# KiCad board control.kicad_pcb (continued)
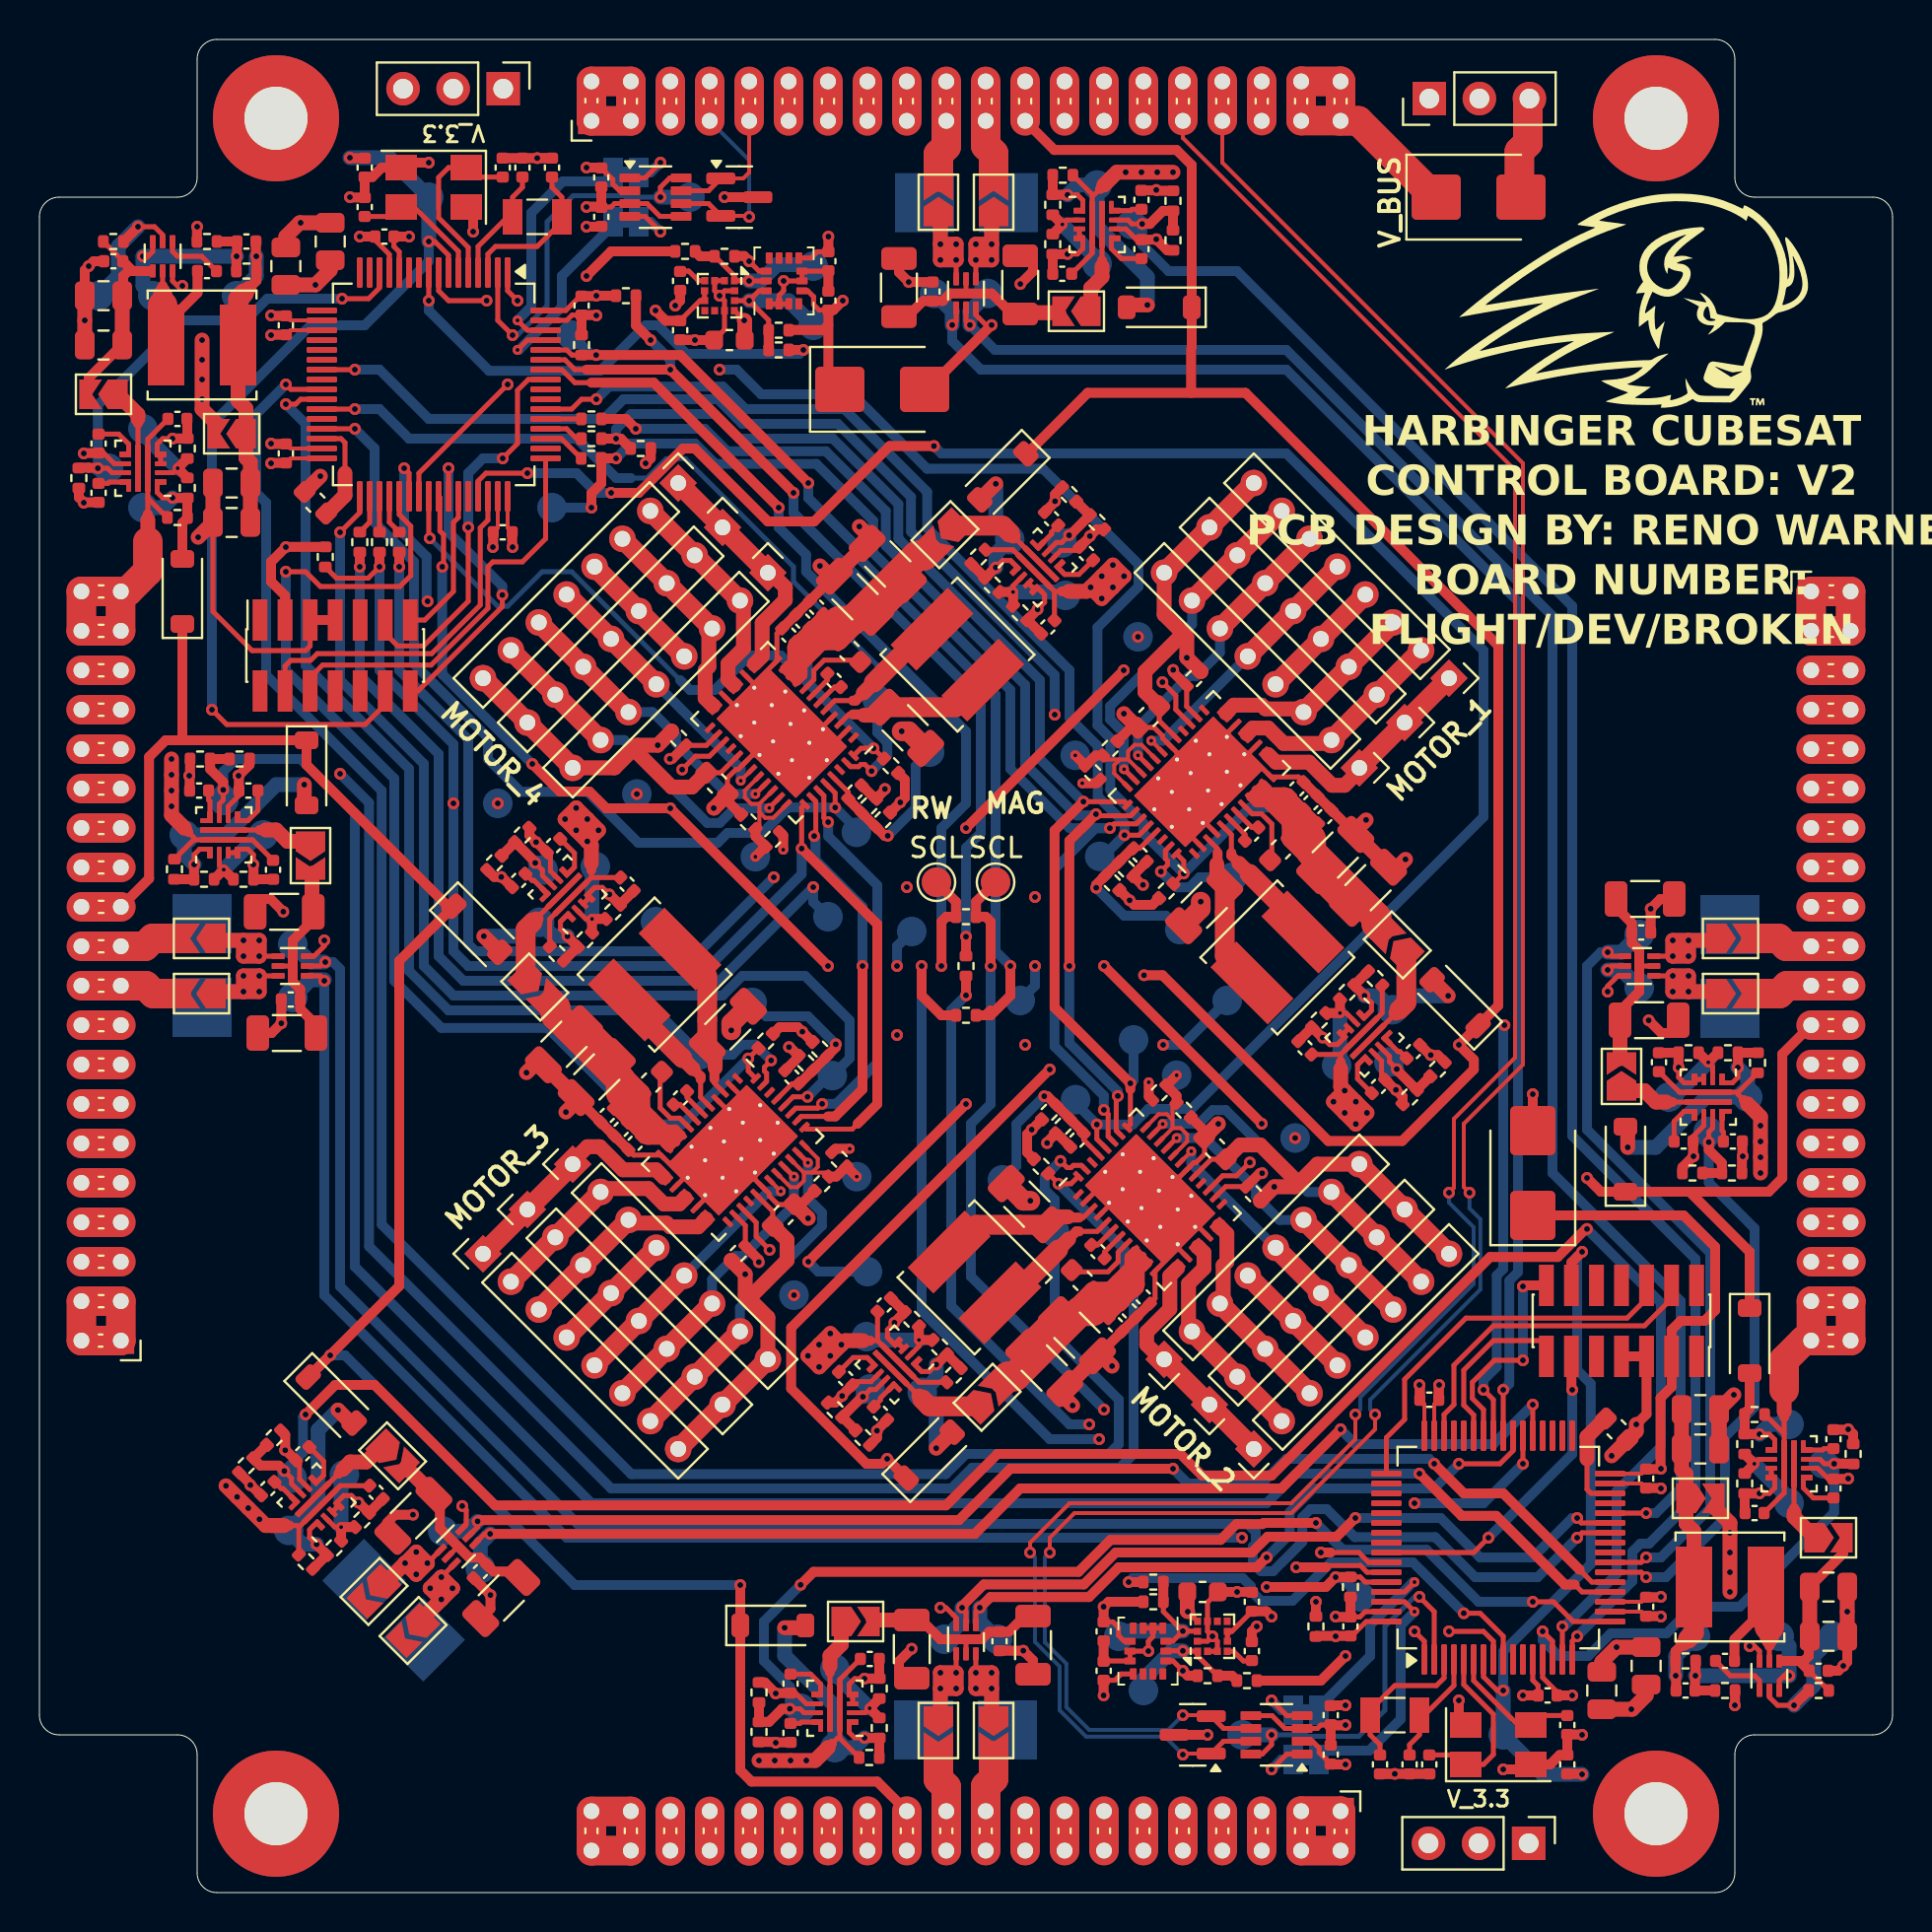
[diagram p0: board, top side]
## Routing (per net, layer and track width the routed paths; a pad name or vN(x,y) marks a point on that pad's centre or on a via; arc(x,y) is an arc through that point) (continued)
  Bottom w0.75: v2(9.35,51.89) 11.11,53.65 TP33.1
/MAGNETORQUERS/MAGNETORQUER_Y+/EFUSE_LATCHED/UVLO: length 12.9
  Top w0.25: 8.48,52.92 8.12,52.92 7.85,52.65 v1(7.85,52.15)
  Top w0.5: R35.2 R36.1 7.84,52.14 v1(7.85,52.15)
  Top w0.75: 13.44,55.15 v1(13.44,56.2)
  Bottom w0.75: v1(13.44,56.2) 12.01,56.2 9.46,53.65 TP32.1 7.35,52.65 v1(7.85,52.15)
/MAGNETORQUERS/MAGNETORQUER_Y+/EFUSE_LATCHED/V_OUT: length 4.6
  Top w0.25: 9.38,53.9 11.17,53.9
  Top w0.5: 11.48,53.9 11.17,53.9
  Top w0.75: 13.73,53.33 12.59,53.33 12.01,53.9 11.48,53.9
/MAGNETORQUERS/MAGNETORQUER_Y-/BRUSHED_DRIVER/OUT_1: length 13.5
  Top w0.25: U16.6 v1(82.85,47.5)
  Top w0.75: 85.05,48.35 85,48.3 v1(83.65,48.3) ; v1(83.65,48.3) v1(83.65,47.5) v1(82.85,47.5) ; v1(83.65,48.3) v1(82.85,48.3) v1(82.85,47.5) ; v1(83.65,48.3) v1(82.85,47.5)
  Bottom w0.75: v1(82.85,47.5) v1(83.65,47.5) v1(83.65,48.3) ; v1(82.85,47.5) v1(83.65,48.3) ; v1(82.85,47.5) v1(82.85,48.3) v1(83.65,48.3) ; v1(83.65,48.3) 84.95,48.3 TP37.1
/MAGNETORQUERS/MAGNETORQUER_Y-/BRUSHED_DRIVER/OUT_2: length 13.5
  Top w0.25: U16.4 v1(82.85,46.5)
  Top w0.75: v1(82.85,46.5) v1(82.85,45.7) v1(83.65,45.7) ; v1(82.85,46.5) v1(83.65,45.7) ; v1(82.85,46.5) v1(83.65,46.5) v1(83.65,45.7) ; v1(83.65,45.7) 84.95,45.7 JP11.1
  Bottom w0.75: v1(83.65,45.7) 84.9,45.7 TP38.1 ; v1(83.65,45.7) v1(82.85,45.7) v1(82.85,46.5) ; v1(83.65,45.7) v1(82.85,46.5) ; v1(83.65,45.7) v1(83.65,46.5) v1(82.85,46.5)
/MAGNETORQUERS/MAGNETORQUER_Y-/BRUSHED_DRIVER/V_IN: length 10.2
  Top w0.25: U16.5 81.13,47
  Top w0.5: C66.1 79.97,49.98 80.77,49.18 C65.1 80.77,48.18 81.15,47.8 81.15,45.7 79.89,44.44 79.89,44.3
  Top w0.75: 80.16,42.3 80.17,42.31 80.17,44.4 79.99,44.4
/MAGNETORQUERS/MAGNETORQUER_Y-/EFUSE_LATCHED/DVDT: length 2.1
  Top w0.25: U18.7 83.42,39.62 82.92,39.12 C80.1
/MAGNETORQUERS/MAGNETORQUER_Y-/EFUSE_LATCHED/ITIMER: length 1.4
  Top w0.25: C79.1 85.42,38.58 85.35,38.65 U18.10
/MAGNETORQUERS/MAGNETORQUER_Y-/EFUSE_LATCHED/OVLO: length 5.1
  Top w0.25: v2(84.65,42.11) 84.88,41.88 U18.2
  Top w0.5: R81.2 v2(84.65,42.11) R82.1
  Bottom w0.75: v2(84.65,42.11) 82.89,40.35 TP71.1
/MAGNETORQUERS/MAGNETORQUER_Y-/EFUSE_LATCHED/UVLO: length 12.9
  Top w0.25: v1(86.15,41.85) 86.15,41.35 85.88,41.08 85.53,41.08
  Top w0.5: R80.2 R81.1 86.16,41.86 v1(86.15,41.85)
  Top w0.75: 80.56,38.85 v1(80.56,37.8)
  Bottom w0.75: v1(80.56,37.8) 81.99,37.8 84.54,40.35 TP70.1 86.65,41.35 v1(86.15,41.85)
/MAGNETORQUERS/MAGNETORQUER_Y-/EFUSE_LATCHED/V_OUT: length 4.6
  Top w0.25: 84.62,40.1 82.83,40.1
  Top w0.5: 82.53,40.1 82.83,40.1
  Top w0.75: 82.53,40.1 81.99,40.1 81.41,40.67 80.27,40.67
/MAGNETORQUERS/MAGNETORQUER_Z/BRUSHED_DRIVER/OUT_1: length 13.5
  Top w0.25: U19.6 v1(20.39,16)
  Top w0.75: v1(19.82,15.44) v1(20.39,16) v1(20.95,15.44) ; v1(19.82,15.44) v1(20.39,14.87) ; v1(19.82,15.44) v1(20.95,15.44) ; 19.43,13.84 19.43,13.91 v1(20.39,14.87) ; v1(20.39,14.87) v1(20.95,15.44)
  Bottom w0.75: v1(20.39,16) v1(19.82,15.44) v1(20.39,14.87) ; v1(20.39,16) v1(20.39,14.87) ; v1(20.39,16) v1(20.95,15.44) v1(20.39,14.87) ; v1(20.39,14.87) 19.47,13.95 TP73.1
/MAGNETORQUERS/MAGNETORQUER_Z/BRUSHED_DRIVER/OUT_2: length 14.6
  Top w0.25: U19.4 v1(19.68,16.71)
  Top w0.75: v1(19.68,16.71) 19.66,16.71 19.11,17.26 ; v1(19.68,16.71) v1(19.11,16.14) ; v1(19.68,16.71) v1(18.55,16.71) ; JP18.1 17.63,15.79 v1(18.55,16.71) ; v1(19.11,16.14) v1(18.55,16.71) ; v1(19.11,16.14) 19.11,17.26 ; v1(18.55,16.71) 18.57,16.71 19.12,17.27 19.11,17.26
  Bottom w0.75: v1(19.68,16.71) v1(19.11,17.28) v1(18.55,16.71) ; v1(19.68,16.71) v1(19.11,16.14) v1(18.55,16.71) ; v1(19.68,16.71) v1(18.55,16.71) ; v1(18.55,16.71) 17.66,15.83 TP74.1
/MAGNETORQUERS/MAGNETORQUER_Z/BRUSHED_DRIVER/V_IN: length 10.2
  Top w0.25: U19.5 21.25,17.57
  Top w0.5: C82.1 24.17,16.29 23.05,16.29 C81.1 22.34,16.99 21.8,16.99 20.32,18.48 20.32,20.26 20.22,20.36
  Top w0.75: 20.22,20.22 20.09,20.09 18.61,21.56 18.61,21.58
/MAGNETORQUERS/MAGNETORQUER_Z/EFUSE_LATCHED/DVDT: length 2.1
  Top w0.25: C86.1 14.41,21.88 14.41,21.16 U20.7
/MAGNETORQUERS/MAGNETORQUER_Z/EFUSE_LATCHED/ITIMER: length 1.4
  Top w0.25: U20.10 12.36,20.49 12.26,20.49 C85.1
/MAGNETORQUERS/MAGNETORQUER_Z/EFUSE_LATCHED/OVLO: length 5.1
  Top w0.25: v2(15.3,18.54) 14.98,18.54 U20.2
  Top w0.5: R87.1 v2(15.3,18.54) R86.2
  Bottom w0.75: v2(15.3,18.54) 15.3,21.03 TP78.1
/MAGNETORQUERS/MAGNETORQUER_Z/EFUSE_LATCHED/UVLO: length 12.9
  Top w0.25: v1(14.06,17.66) 13.7,18.02 13.7,18.41 U20.1
  Top w0.5: R85.2 R86.1 14.06,17.65 v1(14.06,17.66)
  Top w0.75: 15.89,23.73 v1(15.14,24.48)
  Bottom w0.75: v1(15.14,24.48) 14.14,23.47 14.14,19.86 TP77.1 13.35,17.66 v1(14.06,17.66)
/MAGNETORQUERS/MAGNETORQUER_Z/EFUSE_LATCHED/V_OUT: length 4.6
  Top w0.25: 13.9,19.98 15.17,21.25
  Top w0.5: 15.38,21.46 15.17,21.25
  Top w0.75: 15.38,21.46 15.76,21.84 16.58,21.84 17.39,22.66
/MAGNETORQUERS/PA0: length 25.7
  Top w0.25: U27.9 90.32,21.98 90.55,21.75 v1(91.04,21.75) ; v1(76.25,13.25) 76.75,12.75 U29.14
  Top w0.5: 91.04,21.76 91.5,21.76 91.51,21.75 92,21.75
  Bottom w0.5: v1(91.04,21.75) 91.04,19.29 86.25,14.5 83.89,14.5 82.54,13.15 79.71,13.15 78.56,12 77.06,12 76.25,12.81 v1(76.25,13.25)
  Bottom w0.75: v1(91.04,21.75) TP98.1
/MAGNETORQUERS/PA1: length 108.5
  Top w0.25: v1(77.25,13.5) U29.15 ; v1(12.42,21.38) 12.79,21.02 12.79,20.74 U20.9
  Top w0.5: v1(78.5,33.66) 78.43,33.66 77.01,32.24 73.58,32.24 62.5,21.16 58.97,21.16 57.88,22.25 48.59,22.25 45.98,19.64 23.11,19.64 17,25.75 15,25.75 v1(13.5,24.25) ; R83.2 R84.2 11.21,21.66 12.15,21.66 v1(12.42,21.38)
  Bottom w0.5: v1(78.5,33.66) 82.25,29.91 82.25,22.61 80,20.36 80,16.16 77.34,13.5 v1(77.25,13.5) ; v1(13.5,24.25) 13.37,24.12 13.37,22.33 v1(12.42,21.38)
  Bottom w0.75: TP79.1 12.46,21.38 v1(12.42,21.38)
/MAGNETORQUERS/PA2: length 94.2
  Top w0.25: U21.9 55.22,84.84 55.42,84.64 v1(55.94,84.64) ; U29.16 77.75,12.75 v1(78,13)
  Top w0.5: v1(55.94,84.64) 56.33,84.64 56.99,85.3 R92.2 R91.2
  Bottom w0.5: v1(78,13) 80.8,15.8 80.8,17.29 81.21,17.7 81.65,17.7 84,20.05 84,32.14 77.75,38.39 77.75,65.25 60.75,82.25 57.27,82.25 55.94,83.59 v1(55.94,84.64)
  Bottom w0.75: v1(55.94,84.64) 55.91,84.61 TP82.1
/MAGNETORQUERS/PA3: length 56.9
  Top w0.25: U6.9 38.78,9.12 38.58,9.32 v1(38.06,9.32) ; v1(75.75,14.75) 76.8,14.75 77.8,13.75 U29.17
  Top w0.5: R22.2 R23.2 37.01,8.66 37.67,9.32 v1(38.06,9.32) ; v1(38.61,15.61) 39.27,16.27 52.71,16.27 54.33,17.89 59.91,17.89 60.71,18.69 62.03,18.69 62.09,18.75 v1(64.75,18.75)
  Bottom w0.5: v1(38.06,9.32) 38.06,10.44 36.75,11.75 36.75,13.75 v1(38.61,15.61) ; v1(64.75,18.75) 66.11,17.39 70.36,17.39 73,14.75 v1(75.75,14.75)
  Bottom w0.75: v1(38.06,9.32) 38.09,9.35 TP27.1
/MAGNETORQUERS/PA4: length 108.6
  Top w0.25: 77.88,15.62 78.25,15.25 U29.20 ; U9.9 9.12,55.22 9.32,55.42 v1(9.32,55.94)
  Top w0.5: 77.88,15.62 77.38,15.62 73.89,19.11 72.14,19.11 v1(70,21.25) ; v1(9.32,55.94) 9.32,56.33 8.66,56.99 R34.2 R33.2
  Bottom w0.5: v1(9.32,55.94) 9.32,56.86 9.96,57.5 13.25,57.5 16,54.75 16,31.75 28,19.75 62.25,19.75 63.75,21.25 v1(70,21.25)
  Bottom w0.75: TP34.1 9.35,55.91 v1(9.32,55.94)
/MAGNETORQUERS/PA5: length 64.9
  Top w0.25: 78.12,16.38 78.75,15.75 U29.21 ; v1(22.22,18.83) 22.22,18.55 U19.2
  Top w0.5: 78.12,16.38 74.25,20.25 72.25,20.25 v1(70.75,21.75) ; v1(57.5,21.5) 49.25,21.5 46.64,18.89 22.29,18.89 v1(22.22,18.83)
  Bottom w0.5: v1(57.5,21.5) 58.25,20.75 62,20.75 63.25,22 70.5,22 v1(70.75,21.75)
  Bottom w0.75: TP76.1 21.73,18.34 v1(22.22,18.83)
/MAGNETORQUERS/PA6: length 32.7
  Top w0.25: U29.22 81.25,16.25 v1(81.5,16) ; U18.9 84.88,38.78 84.68,38.58 v1(84.68,38.06)
  Top w0.5: v1(84.68,38.06) 84.68,37.67 85.34,37.01 R40.2 R39.2
  Bottom w0.5: v1(84.68,38.06) 84.68,36.01 87,33.69 87,24.62 85.5,23.12 85.5,19 82.5,16 v1(81.5,16)
  Bottom w0.75: TP72.1 84.65,38.09 v1(84.68,38.06)
/MAGNETORQUERS/PA7: length 40.6
  Top w0.25: v1(79.55,47.7) 79.75,47.5 U16.1 ; U29.23 81.25,16.75 v1(81.5,17)
  Bottom w0.5: v1(79.55,47.7) 79.2,47.7 78.5,47 78.5,38.7 84.75,32.45 84.75,19.5 82.25,17 v1(81.5,17)
  Bottom w0.75: TP62.1 80.25,47.7 v1(79.55,47.7)
/MAGNETORQUERS/PA8: length 30.8
  Top w0.25: v1(73.25,25.5) 73.75,25 U29.41 ; v1(79.55,46.8) 79.75,47 U16.2
  In1.Cu w0.5: v1(79.55,46.8) 77.11,46.8 v1(74.31,44)
  Bottom w0.5: v1(74.31,44) 74.25,43.94 74.25,31.63 73.92,31.3 73.92,26.67 73.25,26 v1(73.25,25.5)
  Bottom w0.75: v1(79.55,46.8) 80.25,46.8 TP63.1
/MAGNETORQUERS/PA9: length 10.9
  Top w0.25: v1(75.25,27) 73.8,27 72.69,25.88 72.69,25.07 73.25,24.5 U29.42
  Top w0.5: v1(75.25,30.75) 75.3,30.8 J21.14
  Bottom w0.5: v1(75.25,27) v1(75.25,30.75)
/MAGNETORQUERS/PA10: length 9.1
  Top w0.25: U29.43 72.75,24.22 72.25,24.72 72.25,26.5 73.75,28 76.44,28 J21.13
/MAGNETORQUERS/PA13: length 16.9
  Top w0.25: J21.4 82.79,30.12 81.41,28.75 73.75,28.75 71.75,26.75 71.75,24.75 71.25,24.25 U29.46
/MAGNETORQUERS/PA14: length 19.8
  Top w0.25: J21.6 81.52,30.12 80.53,29.14 72.36,29.14 69.25,26.03 69.25,24 68.33,23.07 U29.49
/MAGNETORQUERS/PB0: length 96
  Top w0.25: U29.26 78.25,18.25 v1(78,18) ; U8.2 14.25,47 14.45,47.2
  In1.Cu w0.5: 14.54,47.2 14.45,47.2
  Bottom w0.5: v1(78,18) 76,16 72.83,16 70.8,18.03 66.72,18.03 65.3,19.45 64.47,19.45 64.06,19.04 64.06,17.79 62.57,16.3 61.96,16.3 61.55,16.71 61.55,17.56 61.7,17.71 61.7,18.29 61.29,18.7 27.3,18.7 15.25,30.75 15.25,46.84 14.89,47.2 v1(14.5,47.2) 14.45,47.2
  Bottom w0.75: 14.45,47.2 13.75,47.2 TP31.1
/MAGNETORQUERS/PB1: length 39.5
  Top w0.25: v1(78,19) 78,18.96 78.21,18.75 U29.27 ; v1(46.8,14.45) 47,14.25 U5.2
  Top w0.5: v1(46.8,14.45) 46.8,14.53 47.9,15.63 52.97,15.63 54.59,17.25 61.5,17.25 62.3,18.05 65.8,18.05 v1(66.75,19)
  Bottom w0.5: v1(78,19) 77.75,19 75.75,17 73.08,17 71.08,19 v1(66.75,19)
  Bottom w0.75: TP24.1 46.8,13.75 v1(46.8,14.45)
/MAGNETORQUERS/PB2: length 89.6
  Top w0.25: U22.2 47,79.71 v1(47.2,79.51) ; U29.28 v1(81.5,19.25)
  Bottom w0.5: v1(81.5,19.25) 82,19.25 83.25,20.5 83.25,30 76.75,36.5 76.75,64.75 63.25,78.25 48.46,78.25 v1(47.2,79.51)
  Bottom w0.75: v1(47.2,79.51) 47.2,80.21 TP84.1
/MAGNETORQUERS/PB5: length 16.5
  Top w0.25: v1(73.5,18) 72.75,17.25 U29.57
  Top w0.5: v1(77.75,25.5) 77.71,25.54 J21.11
  Bottom w0.5: v1(77.75,25.5) 77.75,22.25 v1(73.5,18)
/MAGNETORQUERS/PB8: length 10.2
  Top w0.25: U29.61 69.25,15.25 v2(69.75,15.75) ; U29.61 68.31,15.23 U29.61
  Bottom w0.5: v2(69.75,15.75) 69.68,15.75 67.5,13.57 67.5,12 64.9,9.4 JP27.1
/MAGNETORQUERS/PB9: length 12.6
  Top w0.25: U29.62 69.25,14.75 v2(69.75,14.25)
  Bottom w0.5: v2(69.75,14.25) 69.05,13.55 69.05,8.8 67.45,7.2 65,7.2 64.9,7.1 JP26.1
/MAGNETORQUERS/PC0: length 14.2
  Top w0.25: v1(71.5,13.25) 73.25,13.25 73.75,12.75 73.75,11.75
  Top w0.5: v1(66.25,12) 65,10.75 R50.1
  In1.Cu w0.5: v1(66.25,12) 70.25,12 v1(71.5,13.25)
/MAGNETORQUERS/PC1: length 24
  Top w0.25: 74.25,11.75 74.25,13 73.08,14.17 v1(72.25,14.17)
  Top w0.5: R51.1 v1(55.25,15.75)
  Bottom w0.5: v1(55.25,15.75) 55.45,15.95 61.04,15.95 61.45,15.54 61.45,15.31 61.96,14.8 63.56,14.8 65.51,16.75 69.67,16.75 v1(72.25,14.17)
/MAGNETORQUERS/PC6: length 60.7
  Top w0.25: v1(22.86,18.19) 22.58,18.19 U19.1 ; U29.37 v1(75.75,24.75)
  Top w0.5: v1(66,23.5) 63,20.5 49.75,20.5 47.44,18.19 v1(22.86,18.19)
  Bottom w0.5: v1(66,23.5) 66.75,22.75 73.75,22.75 v1(75.75,24.75)
  Bottom w0.75: TP75.1 22.37,17.7 v1(22.86,18.19)
/MAGNETORQUERS/PC7: length 87.8
  Top w0.25: 14.45,46.3 14.25,46.5 U8.1 ; U29.38 v1(75.25,21.75)
  In2.Cu w0.5: v1(69.75,19.75) 68,18 v1(61,18)
  Bottom w0.5: v1(75.25,21.75) 73.25,19.75 v1(69.75,19.75) ; 14.45,46.3 v1(14.45,46.25) 14.45,30.3 26.75,18 v1(61,18)
  Bottom w0.75: 14.45,46.3 13.75,46.3 TP30.1
/MAGNETORQUERS/PC8: length 34.7
  Top w0.25: v1(72,21.75) 74.08,21.75 74.75,22.42 U29.39 ; v1(47.7,14.45) 47.5,14.25 U5.1
  Top w0.5: v1(47.7,14.45) 48.24,14.99 53.24,14.99 54.75,16.5 61.75,16.5 v1(62.25,17)
  Bottom w0.5: v1(62.25,17) 63.42,18.17 63.42,19.3 64.62,20.5 70.75,20.5 v1(72,21.75)
  Bottom w0.75: v1(47.7,14.45) 47.7,13.75 TP23.1
/MAGNETORQUERS/PC9: length 80.5
  Top w0.25: U29.40 v1(74.25,25.5) ; U22.1 46.5,79.71 v1(46.3,79.51)
  Bottom w0.5: v1(74.25,25.5) 74.56,25.81 74.56,31.04 75,31.48 75,65.5 63.25,77.25 47.75,77.25 46.3,78.7 v1(46.3,79.51)
  Bottom w0.75: v1(46.3,79.51) 46.3,80.21 TP83.1
/MAGNETORQUERS/PC13: length 19.7
  Top w0.25: U30.8 62.02,7.02 62.5,7.5 v1(62.5,8) ; v1(70,15) 70.75,14.25 U29.2
  Bottom w0.25: v1(70,15) 69.75,15 68.25,13.5 68.25,9.25 66.92,7.92 64.33,7.92 64.25,8 v1(62.5,8)
  Bottom w0.75: v1(62.5,8) TP104.1
/MAGNETORQUERS/PC14: length 7.6
  Top w0.25: Y4.2 67.5,8 68,7.5 C138.1 ; U29.3 71.25,10.89 70.86,10.5 68.75,10.5 67.5,9.25
/MAGNETORQUERS/PC15: length 5.9
  Top w0.25: U29.4 71.75,10.5 70.25,9 Y4.1 70,8 69.5,7.5 C137.1
/MAGNETORQUERS/PH0: length 9.1
  Top w0.25: U29.5 72.25,10.55 73.75,9.05 73.75,7 73.25,6.5 Y3.1 71.87,6.98 C139.1
/MAGNETORQUERS/PH1: length 6.5
  Top w0.25: Y3.3 76.13,8.98 C140.2 ; 75.23,8.5 75,8.5 72.75,10.75 U29.6
/MAGNETORQUERS/PH3: length 52.5
  Top w0.25: U29.60 67.25,15.75 66.99,16.01 R106.1
  Top w0.5: 65.76,16.01 65.25,15.5 v1(62.25,15.5) ; 65.76,16.01 R106.1 ; 65.76,16.01 v1(65.75,16) ; R4.1 45.75,44.5 44.75,45.5 v1(44.75,47)
  In1.Cu w0.5: v1(62.25,15.5) 54.75,23 v1(53.75,23)
  Bottom w0.5: v1(53.75,23) 51.25,23 44.75,29.5 v1(44.75,47) ; TP103.1 66,16 v1(65.75,16)
/MAGNETORQUERS/V_3.3: length 70
  Top w0.2: 70.25,24.77 C128.1 70.25,24.77 ; 70.25,24.77 U29.48 70.25,24.77 ; C131.1 81.27,14.75 U29.19 ; U29.32 81.27,21.25 C133.1
  Top w0.25: C135.1 66.57,13.02 67.3,13.75 U29.64 ; U2.5 55.03,12.75 54.73,13.05 54.73,13.45 54.45,13.73 C5.1 ; 65.48,7.5 65.5,7.52 ; U2.8 54.87,11.09 54.55,10.77 C4.1 ; U29.1 70.25,12.75 v1(69.75,13.25) ; U3.10 58.74,13.76 v1(58.25,14.25) ; v1(58,11.25) 57.5,11.75 U2.12 ; U30.5 62.52,8.98 63.17,8.33 U30.3 64.83,8.33 65,8.5 65.48,8.5 65.5,8.48 ; U3.5 U3.6 60.49,13.25 61.5,14.26 C6.1 ; C134.1 76.98,10.18 76.25,10.91 U29.13
  Top w0.5: v1(62.5,14) 62.23,14.27 C6.1 ; v1(58,11.25) 58.25,11 R48.2 ; C134.1 v1(77.75,10) ; 65.77,13.02 v1(65.75,13) ; 65.77,13.02 64.78,13.02 R5.1 ; 65.77,13.02 C135.1 ; C5.1 v1(53.98,14.5) 54.23,14.75 R49.2 ; C133.1 82.23,21.48 ; 82.23,21.48 v1(82.25,21.5) ; 82.23,21.48 82.23,25.09 82.79,25.65 J21.3 82.79,28.54 83.25,29 84.47,29 85,29.54 85,32.75 83.4,34.35 D6.1 ; v1(53.98,10) C4.1 ; C131.1 82.23,14.98 v1(82.25,15) ; 70.02,25.73 v1(70,25.75) 70.02,25.73 ; 70.02,25.73 C128.1 70.02,25.73 ; v1(66.25,8.5) 66.23,8.48 65.5,8.48 65.52,8.5 ; 65.52,7.5 65.5,7.52 C141.1
  Top w0.75: 58.25,15.23 C7.1 58.23,14.27 v1(58.25,14.25) ; 79.5,9.3 v1(80.75,9.3) 80.8,9.3 81.5,10 C130.1 ; v1(85.75,15.25) v1(85.75,18.25) 85.75,18.75 85,19.5
  vias: v1(85.75,17.25) v1(85.75,16.25)
/REACTION WHEELS/COMMAND/EFUSE_LATCHED/DVDT: length 2.1
  Top w0.25: C95.1 4.02,73.98 4.52,73.47 U23.7
/REACTION WHEELS/COMMAND/EFUSE_LATCHED/ITIMER: length 1.4
  Top w0.25: C94.1 3.48,71.48 3.55,71.55 U23.10
/REACTION WHEELS/COMMAND/EFUSE_LATCHED/OVLO: length 5.1
  Top w0.25: v2(7.01,72.25) 6.78,72.03 U23.2
  Top w0.5: R95.1 v2(7.01,72.25) R94.2
  Bottom w0.75: TP88.1 5.25,74.01 v2(7.01,72.25)
/REACTION WHEELS/COMMAND/EFUSE_LATCHED/UVLO: length 6.9
  Top w0.25: U23.1 5.98,71.03 6.25,70.75 v1(6.75,70.75)
  Top w0.5: 7.5,69.7 R94.1 6.76,70.74 v1(6.75,70.75) ; 7.25,67.67 7.25,69.47 7.5,69.72 7.5,69.77
  Bottom w0.75: v1(6.75,70.75) 6.25,70.25 TP87.1
/REACTION WHEELS/COMMAND/EFUSE_LATCHED/V_OUT: length 4.2
  Top w0.25: U23.6 5,74.52 4.99,74.52
  Top w0.5: 4.99,74.77 4.99,74.52
  Top w0.75: 4.99,74.77 4.99,74.98 JP1.1
/REACTION WHEELS/COMMAND/MCU/VCAP: length 5.2
  Top w0.25: 15.5,72 15.5,73.55 15.3,73.75 U25.30
  Top w0.75: 15.5,72 15.5,70.88 14.58,69.95
/REACTION WHEELS/COMMAND/SMPS(3.3V)/SMPS/FB: length 10.6
  Top w0.25: v1(5.25,83) 5.5,83 5.75,83.25 U24.6
  Top w0.5: R96.2 9.99,82.99 v1(10,83) 10.02,83.02 C97.1 R98.1
  Bottom w0.75: v1(10,83) v1(5.25,83) 5.25,81.5 TP92.1
/REACTION WHEELS/COMMAND/SMPS(3.3V)/SMPS/SW: length 10.1
  Top w0.25: U24.2 6.25,81.5
  Top w0.5: C96.2 8.02,81.15 6.42,79.55 L5.1 ; 6.25,81.25 6.25,81.5
  Top w0.75: 6.25,81 6.25,81.25
  Top w1: 6.25,81 6.25,78.67
  Top w1.5: 6.25,80.5 6.25,78.67 L5.1
/REACTION WHEELS/COMMAND/SMPS(3.3V)/SMPS/V_OUT: length 17.4
  Top w0.5: 11.01,83.72 C97.2 10.98,83.02 v1(11,83) 11.01,82.99 R96.1 11.01,81.76 10.62,81.38
  Top w0.75: 10.38,81.12 10.62,81.38 ; L5.2 10.08,75.67 10.48,75.28 JP22.1 10.48,72.78 10.7,72.55 C101.1 C102.1
  Top w1: 10.38,81.12 10.08,80.83 L5.2
  Bottom w0.75: v1(11,83) 11,82 TP91.1
/REACTION WHEELS/COMMAND/SMPS(3.3V)/V_IN: length 9.9
  Top w0.25: 4.24,82.76 C98.1 4.23,82.76 R97.1
  Top w0.5: 2.5,76.5 2.5,76.82 4.2,78.52 ; 4.73,82.25 5.65,82.25 ; 4.73,82.25 C98.1 ; 4.73,82.25 4.5,82.25 4.25,82 4.25,81.05 C99.1
  Top w0.75: C99.1 C100.1
/REACTION WHEELS/COMMAND/SWD.NRST: length 50.1
  Top w0.25: v1(8.75,60) 9.5,59.25 16.52,59.25 17.54,60.27 J19.12 ; U25.7 20.75,83.06 20.06,83.75 v1(19.75,83.75)
  Top w0.5: C104.1 15.77,87.98 v1(15.75,88)
  Bottom w0.5: v1(8.75,60) 8.75,74.5 13.75,79.5 16.5,79.5 19.75,82.75 v1(19.75,83.75)
  Bottom w0.75: v1(19.75,83.75) TP93.1 17.75,88 v1(15.75,88)
/REACTION WHEELS/CONTROL_1.CS: length 46.7
  Top w0.25: v1(28.25,75.75) 27.5,75.75 27,75.25 U25.54 ; v1(55.04,53.64) 55.78,53.64 U4.36
  Bottom w0.5: v1(28.25,75.75) 28.89,76.39 34.67,76.39 35.81,75.25 40.83,75.25 45.03,71.05 45.03,69.22 52.25,62 52.25,59.59 53.68,58.16 53.68,55.6 55,54.28 55,54.25 55.04,54.21 v1(55.04,53.64) 53.96,52.56 TP22.1
/REACTION WHEELS/CONTROL_1.FAULT: length 5.4
  Top w0.25: R29.2 58.19,60.17 U4.22
  Top w0.5: R29.2 57.51,61.9 v1(57.51,62.02)
  In2.Cu w0.5: v1(55.72,63.7) 55.72,63.68 57.38,62.02 v1(57.51,62.02)
/REACTION WHEELS/CONTROL_1.FGOUT: length 70.9
  Top w0.25: v1(23.75,76.5) 19.25,72 U25.39 ; R28.2 v1(58.04,51.69) 58.04,52.33 U4.40
  In1.Cu w0.5: v1(34.5,77.25) 33.67,76.42 29.34,76.42 29.26,76.5 v1(23.75,76.5)
  Bottom w0.5: v1(34.5,77.25) 35.37,77.25 36.62,76 41.25,76 45.03,72.22 50.9,72.22 55.75,67.38 55.75,66.25 53.67,64.17 53.67,59.21 54.32,58.55 54.32,55.93 56,54.25 56,53.74 v1(58.04,51.69) 61.39,55.03 TP20.1
/REACTION WHEELS/CONTROL_1.PWM: length 63.3
  Top w0.25: v1(16,77.25) U25.23 ; U4.39 57.11,52.85 57.11,52.44 57.23,52.33 57.23,52.13 v1(56.89,51.79)
  In1.Cu w0.5: v1(51.5,59.75) 53.75,57.5 53.75,56.25 56,54 56,52.68 v1(56.89,51.79)
  Bottom w0.5: TP21.1 58.84,51.5 58.33,50.99 57.69,50.99 v1(56.89,51.79) ; v1(51.5,59.75) 51.5,61.75 44.21,69.04 44.21,70.79 40.5,74.5 35.66,74.5 34.41,75.75 29.62,75.75 28.62,74.75 19.75,74.75 17.25,77.25 v1(16,77.25)
/REACTION WHEELS/CONTROL_2.CS: length 98.3
  Top w0.25: v1(53.64,38.96) 53.64,38.22 U12.36 ; v1(24.75,72) 22.65,72 22.25,71.6 U25.45
  Top w0.5: v1(45.38,73.38) 43.12,73.38 39.3,69.55 36.95,69.55 33.25,73.25 32.65,73.25 30.4,71 v1(29,71)
  Bottom w0.5: v1(29,71) 28.25,71 27.25,72 v1(24.75,72) ; v1(45.38,73.38) 45.75,73 63.25,73 73.25,63 73.25,54.56 58.44,39.75 56.25,39.75 55.46,38.96 v1(53.64,38.96) 52.56,40.04 TP49.1
/REACTION WHEELS/CONTROL_2.FAULT: length 5.4
  Top w0.25: U12.22 60.17,35.81 R57.2
  Top w0.5: R57.2 61.9,36.49 v1(62.02,36.49)
  In2.Cu w0.5: v1(63.7,38.28) 63.68,38.28 62.02,36.62 v1(62.02,36.49)
/REACTION WHEELS/CONTROL_2.FGOUT: length 106.3
  Top w0.25: R56.2 v1(51.69,35.96) 52.33,35.96 U12.40 ; U25.38 18.75,72 v1(18.5,72.25)
  In1.Cu w0.5: v1(15.25,56.75) 15.25,61.06 v1(19.69,65.5)
  Bottom w0.5: TP47.1 55.03,32.61 v1(51.69,35.96) ; TP47.1 55.5,30.21 55.5,22.25 54.8,21.55 47.31,21.55 46.26,20.5 29,20.5 16.72,32.78 16.72,55.28 v1(15.25,56.75) ; TP47.1 55.03,30.1 ; v1(18.5,72.25) 18.5,68.91 19.64,67.77 19.64,65.55 v1(19.69,65.5)
/REACTION WHEELS/CONTROL_2.PWM: length 108.9
  Top w0.25: U25.25 12.75,76.25 v1(12.5,76.5) ; v1(51.79,37.11) 52.13,36.77 52.33,36.77 52.44,36.89 52.85,36.89 U12.39
  Bottom w0.5: v1(12.5,76.5) 11,75 11,71 11.5,70.5 11.5,61.75 17.36,55.89 17.36,33.89 30.03,21.22 45.97,21.22 47,22.25 54.25,22.25 54.75,22.75 54.75,25 51.5,28.25 TP48.1 51.5,35.16 50.99,35.67 50.99,36.31 v1(51.79,37.11)
/REACTION WHEELS/CONTROL_3.CS: length 55.8
  Top w0.25: U14.36 38.22,40.36 v1(38.96,40.36) ; U25.33 16.25,70 v1(15.25,69)
  Bottom w0.5: v1(38.96,40.36) 40.04,41.44 TP58.1 41.1,42.32 41.1,44.24 38.83,46.5 35.66,46.5 34.66,45.5 21,45.5 19.5,47 19.5,57.25 15.25,61.5 v1(15.25,69)
/REACTION WHEELS/CONTROL_3.FAULT: length 5.4
  Top w0.25: U14.22 35.81,33.83 R68.2
  Top w0.5: R68.2 36.49,32.1 v1(36.49,31.98)
  In2.Cu w0.5: v1(36.49,31.98) 36.62,31.98 38.28,30.32 v1(38.28,30.3)
/REACTION WHEELS/CONTROL_3.FGOUT: length 58.4
  Top w0.25: v1(12.5,67) 13.5,67 14.25,66.25 18.28,66.25 18.84,66.8 18.84,69.31 18.25,69.9 U25.37 ; R67.2 v1(35.96,42.31) 35.96,41.67 U14.40
  Bottom w0.5: v1(12.5,67) 12.5,62 18,56.5 18,46.25 20.39,43.86 25.78,43.86 TP56.1 32.61,38.97 v1(35.96,42.31)
/REACTION WHEELS/CONTROL_3.PWM: length 55.5
  Top w0.25: v1(37.11,42.21) 36.77,41.87 36.77,41.67 36.89,41.56 36.89,41.15 U14.39 ; v1(12.5,75.5) 13,75.5 13.25,75.75 U25.26
  Bottom w0.5: v1(12.5,75.5) 13.5,74.5 13.5,62.25 18.75,57 18.75,46.75 20.75,44.75 31.25,44.75 TP57.1 35.16,42.5 35.67,43.01 36.31,43.01 v1(37.11,42.21)
/REACTION WHEELS/CONTROL_3.SLEEP: length 131.3
  Top w0.25: v1(61.4,37.04) 60.72,36.36 60.01,36.36 U12.23 ; v1(20.43,67.25) 20.5,67.31 20.5,68.88 20.32,69.06 20.32,70.76 U25.41 ; U17.23 33.99,57.64 33.28,57.64 v1(32.6,56.96) ; U4.23 57.64,60.01 57.64,60.72 v1(56.96,61.4) ; v1(37.04,32.6) 36.36,33.28 36.36,33.99 U14.23
  Top w0.5: v1(40,47) v1(32,55) 28.75,55 27.9,55.85 26.4,55.85 v1(25,57.25) ; v1(47,40) v1(39,32) ; v1(47,54) v1(55,62) ; v1(54,47) v1(62,39)
  In1.Cu w0.5: v1(50,43) v1(47,40) ; v1(39,32) 38.4,32.6 v1(37.04,32.6) ; v1(54,47) v1(50.5,50.5) ; v1(62,39) 61.4,38.4 v1(61.4,37.04) ; v1(44,51) v1(47,54) ; v1(32.6,56.96) 32.6,55.6 v1(32,55) ; v1(56.96,61.4) 55.6,61.4 v1(55,62) ; v1(43.5,43.5) v1(40,47)
  In2.Cu w0.5: v1(50.5,50.5) v1(47,54) ; v1(43.5,43.5) v1(47,40) ; v1(44,51) v1(40,47) ; v1(54,47) v1(50,43)
  Bottom w0.5: TP10.1 39.5,31.5 v1(39,32) ; v1(25,57.25) 24.99,57.25 23.99,58.25 23.98,58.25 20.43,61.8 v1(20.43,67.25)
/REACTION WHEELS/CONTROL_4.CS: length 44.5
  Top w0.25: v1(40.36,55.04) 40.36,55.78 U17.36 ; v1(16,74.25) U25.29
  Bottom w0.5: v1(16,74.25) 17,73.25 17,69.5 19,67.5 19,62.33 22.75,58.58 22.75,57.5 24.41,55.84 27.79,55.84 30.38,53.25 34.41,53.25 34.91,53.75 36.67,53.75 37.96,55.04 v1(40.36,55.04) 41.44,53.96 TP69.1
/REACTION WHEELS/CONTROL_4.FAULT: length 5.4
  Top w0.25: U17.22 33.83,58.19 R79.2
  Top w0.5: v1(31.98,57.51) 32.1,57.51 R79.2
  In2.Cu w0.5: v1(31.98,57.51) 31.98,57.38 30.32,55.72 v1(30.3,55.72)
/REACTION WHEELS/CONTROL_4.FGOUT: length 35.1
  Top w0.25: U17.40 41.67,58.04 v1(42.31,58.04) R78.2 ; v1(19.8,68.7) 19.75,68.75 19.75,70.07
  Bottom w0.25: v1(19.8,68.7) 23.25,65.25 23.75,65.25 25.5,67 27,67 32.5,61.5
  Bottom w0.5: TP67.1 38.97,61.39 ; 38.97,61.39 v1(42.31,58.04) ; 38.97,61.39 37.6,62.75 36,62.75 34.25,61 33,61 32.5,61.5
/REACTION WHEELS/CONTROL_4.PWM: length 42.3
  Top w0.25: v1(16,75.25) U25.27 ; U17.39 41.15,57.11 41.56,57.11 41.67,57.23 41.87,57.23 v1(42.21,56.89)
  Bottom w0.25: 30,71.75 30.81,71.75 31.8,72.73 32.77,72.73 38.25,67.25 38.25,66.5 42.5,62.25 TP68.1
  Bottom w0.5: v1(42.21,56.89) 43.01,57.69 43.01,58.33 42.5,58.84 TP68.1 ; 30,71.75 29.26,71.75 27.26,73.75 18.75,73.75 17.25,75.25 v1(16,75.25)
/REACTION WHEELS/I2C_3.SCL: length 8
  Top w0.25: 34.24,83.01 34.25,83.01 35.25,82.01 35.25,81.78 ; U7.1 35.99,81.76 ; v1(36,81.75) U11.13
  Top w0.5: R17.1 33.51,83 R19.2
  Bottom w0.75: TP11.1 39.17,82.58 37.41,82.58 36.58,81.75 v1(36,81.75)
/REACTION WHEELS/I2C_3.SDA: length 8.5
  Top w0.25: U11.14 36.5,81.25 v1(36,80.75) ; v1(36,80.75) 36.99,79.76 36.99,79.26 ; v1(36,80.75) U7.11
  Top w0.5: R20.2 R18.1
  Bottom w0.75: v1(36,80.75) 38,80.75 TP12.1
/REACTION WHEELS/PA0: length 23.7
  Top w0.25: U23.9 3.68,72.03 3.45,72.25 v1(2.96,72.25) ; v1(15.35,80.85) 16.7,80.85 17.25,81.4 U25.14
  Top w0.5: 2,72.28 2.49,72.28 2.5,72.27 2.96,72.27
  Bottom w0.5: v1(15.35,80.85) 11.56,80.85 10.46,79.75 7.25,79.75 2.96,75.46 v1(2.96,72.25)
  Bottom w0.75: v1(2.96,72.25) TP89.1
/REACTION WHEELS/PA9: length 16
  Top w0.25: J19.14 19.2,60.95 23.48,65.23 v1(23.48,65.82) ; U25.42 v1(20.75,72.25)
  Bottom w0.5: v1(20.75,72.25) 20.75,69 23.48,66.27 v1(23.48,65.82)
/REACTION WHEELS/PA10: length 7.7
  Top w0.25: U25.43 21.25,69.75 21,69.5 21,66 19.55,64.55 J19.13
/REACTION WHEELS/PA13: length 18.1
  Top w0.25: U25.46 22.75,69.62 22.36,69.23 22.36,65.31 19.9,62.84 14.09,62.84 13.75,62.5 12.75,62.5 12.46,62.21 J19.4
/REACTION WHEELS/PA14: length 20.9
  Top w0.25: J19.6 13.73,61.63 14.36,62.27 19.87,62.27 22.75,65.15 22.75,67.25 23,67.5 24.5,67.5 25.68,68.67 U25.49
/REACTION WHEELS/PB5: length 20.1
  Top w0.25: U25.57 24.8,76.75 24.25,76.2 24.25,73.5 v1(23.5,72.75) ; v1(21.75,69.25) 21.75,65.5 19.48,63.23 18.17,63.23 17.54,63.86 J19.11
  Bottom w0.5: v1(23.5,72.75) 22.5,72.75 21.75,72 v1(21.75,69.25)
/REACTION WHEELS/PB8: length 10.2
  Top w0.25: U25.61 25.69,78.77 ; U25.61 24.75,78.75 v2(24.25,78.25) ; U25.61 25.69,78.77 ; U25.61 25.69,78.77
  Bottom w0.5: JP24.1 29.1,84.6 26.5,82 26.5,80.43 24.32,78.25 v2(24.25,78.25)
